# KiCad board issue1M_expansionboardA.kicad_pcb (continued)
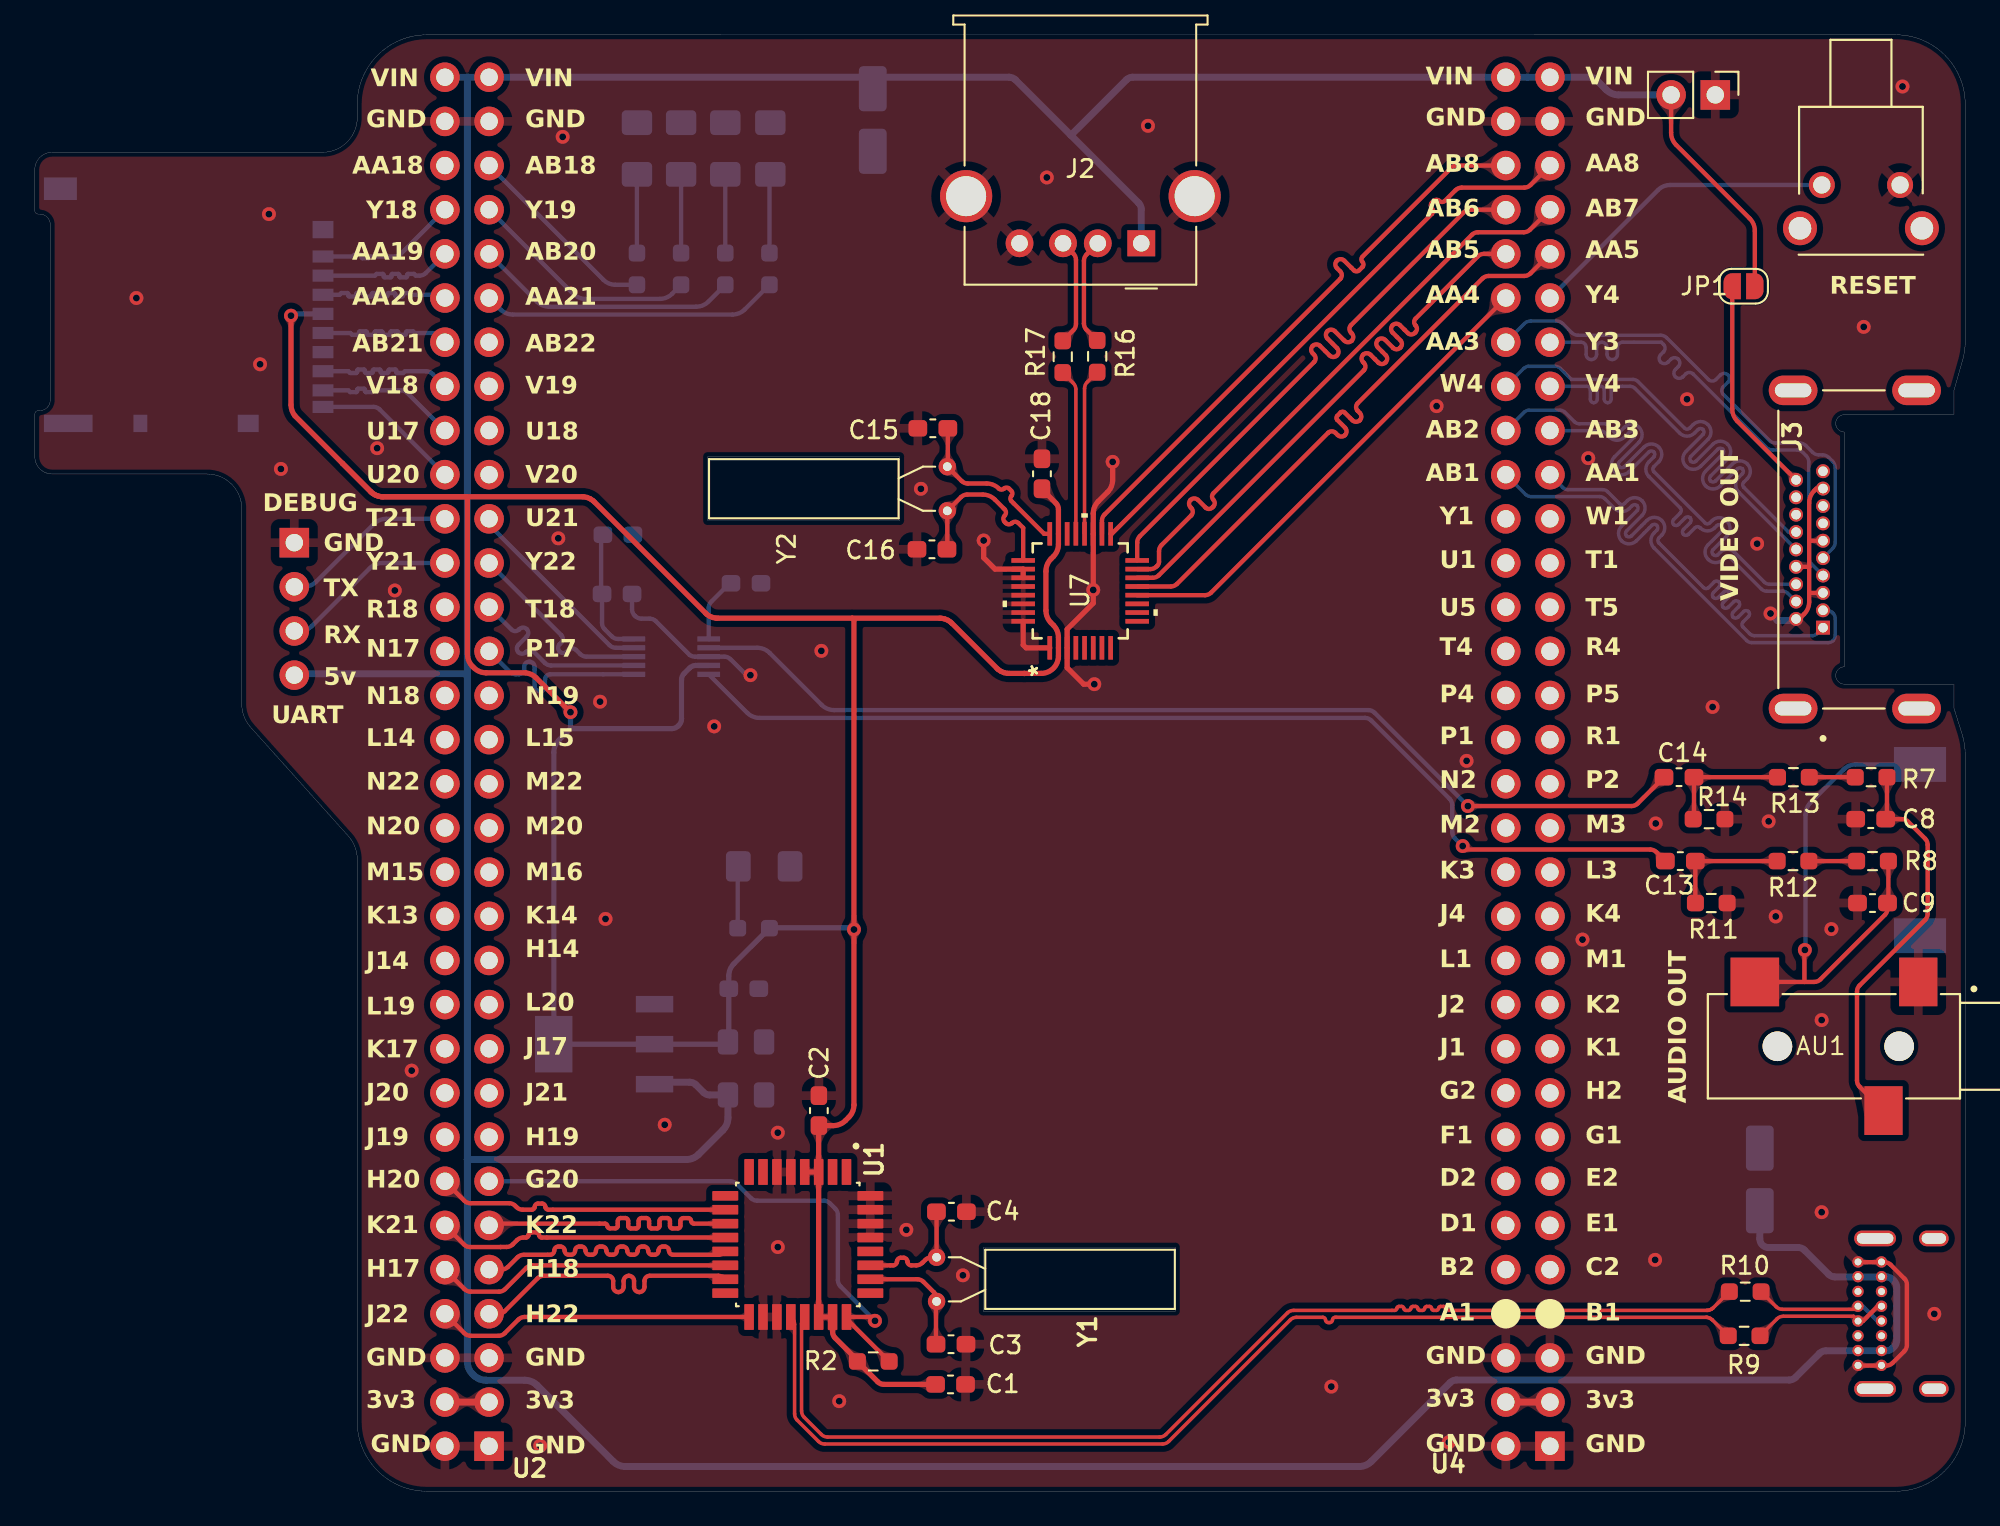
[diagram p0: board, top side]
## Routing (per net, layer and track width the routed paths; a pad name or vN(x,y) marks a point on that pad's centre or on a via; arc(x,y) is an arc through that point)
3V3: length 2.5
  Top w0.4: U2.3 U2.4
5V: length 302.3
  Top w0.25: JP1.2 98.9,72.49 arc(98.83,72.88) 98.61,73.2 94.38,77.43 arc(94.16,77.76) 94.09,78.14 J4.2
  Bottom w0.25: J5.4 14.99,47.01
  Bottom w0.4: 24.9,81.33 24.87,81.3 24.87,47.01 ; 24.9,81.33 U2.63 47.52,81.33 C20.1 48.84,81.33 56.03,81.33 arc(56.22,81.29) 56.38,81.18 59.58,77.99 ; 24.9,81.33 U2.64 ; 24.87,19.08 24.87,47.01 ; 24.87,19.08 24.87,7.45 arc(24.95,7.07) 25.16,6.75 25.23,6.68 arc(25.56,6.46) 25.94,6.38 28.18,6.38 arc(28.56,6.31) 28.88,6.09 33.26,1.71 arc(33.58,1.5) 33.97,1.42 76.14,1.42 arc(76.52,1.5) 76.85,1.71 81.39,6.25 arc(81.55,6.36) 81.74,6.4 100.88,6.4 arc(101.08,6.44) 101.24,6.54 102.62,7.93 arc(102.79,8.04) 102.98,8.08 106.46,8.08 arc(106.65,8.11) 106.82,8.22 106.91,8.32 arc(107.02,8.48) 107.06,8.67 107.06,11.73 arc(107.02,11.92) 106.91,12.08 106.82,12.18 arc(106.65,12.29) 106.46,12.33 103.5,12.33 arc(103.31,12.36) 103.15,12.47 101.75,13.87 arc(101.59,13.98) 101.4,14.02 99.69,14.02 arc(99.33,14.16) 99.19,14.52 C5.1 ; 24.87,19.08 37.46,19.08 arc(37.84,19.15) 38.17,19.37 39.56,20.77 arc(39.78,21.09) 39.86,21.48 C7.1 38.8,22.79 arc(38.61,22.83) 38.45,22.94 38.01,23.38 arc(37.85,23.49) 37.66,23.53 35.75,23.53 VR1.3 ; 24.87,47.01 24.86,47.02 15,47.02 14.99,47.01 ; J2.1 63.62,73.73 arc(63.58,73.93) 63.48,74.09 59.58,77.99 ; 59.58,77.99 62.77,81.18 arc(62.93,81.29) 63.12,81.33 U4.64 U4.63 89.43,81.33 arc(89.62,81.29) 89.78,81.18 90.36,80.61 arc(90.68,80.39) 91.07,80.31 J4.2
GND: length 53.7
  Top w0.25: 102.03,51.69 102.03,51.15 arc(101.95,50.77) 101.73,50.45 101.45,50.17 J3.2 ; 102.03,51.69 102.03,53.16 ; 102.03,51.69 102.05,51.67 J3.5 ; J3.17 102.44,57.67 102.32,57.55 arc(102.1,57.23) 102.03,56.84 102.03,53.16 ; 102.03,53.16 102.02,53.17 J3.8 ; 104.86,13.18 106.35,13.18 arc(106.54,13.14) 106.7,13.03 107.5,12.23 arc(107.61,12.07) 107.65,11.88 107.65,8.41 arc(107.61,8.22) 107.5,8.06 106.82,7.37 arc(106.65,7.26) 106.46,7.23 104.86,7.23 ; 102.03,54.67 J3.11
  Top w0.3: U7.1 57,48.51 56.83,48.68 U7.32 ; v1(54.56,54.68) 54.56,53.69 55.22,53.04 U7.26 U7.27 ; v1(60.92,46.42) 60.31,46.42 59.36,47.37 U7.3 59.36,49.58 60.86,51.08 v1(60.86,51.84) U7.19 60.86,56.23 arc(60.94,56.61) 61.15,56.93 61.68,57.46 arc(61.9,57.79) 61.98,58.17 v1(61.98,59.2)
  Bottom w0.25: v1(41.15,46.94) 40.92,46.94 40,47.86 arc(39.84,47.97) 39.65,48 U6.8 37.95,48 arc(37.79,48.03) 37.65,48.1 35.71,50.04 arc(35.55,50.15) 35.36,50.19 34.88,50.19 arc(34.69,50.23) 34.53,50.33 34.49,50.37 arc(34.38,50.53) 34.34,50.73 C10.2
  Bottom w0.4: J3.2 101.19,50.08 100.2,50.08 v1(99.8,50.48)
  vias: v1(5.84,68.63) v1(12.95,64.82) v1(13.46,73.45) v1(14.15,58.8) v1(19.69,59.99) v1(20.7,51.81) v1(21.67,24.19) v1(29.06,2.61) v1(30.1,54.81) v1(30.35,77.9) v1(32.5,45.41) v1(32.82,32.92) v1(36.22,21.08) v1(39.07,43.99) v1(42.72,20.62) v1(42.72,14.04) v1(45.23,48.33) v1(46.25,5.18) v1(50.11,15.03) v1(50.95,57.66) v1(53.37,12.42) v1(58.19,75.56) v1(64.01,78.53) v1(74.55,6.02) v1(80.6,62.41) v1(81.31,2.82) v1(82.33,42.01) v1(88.99,31.73) v1(89.32,59.42) v1(93.2,38.41) v1(93.17,13.31) v1(95,62.81) v1(96.47,45.11) v1(99.03,54.5) v1(99.7,38.53) v1(100.1,33.06) v1(102.74,27.1) v1(102.74,16.05) v1(103.3,32.33) v1(105.16,66.97) v1(107.39,80.79) v1(109.22,10.2)
VCC: length 2.5
  Top w0.4: U4.3 U4.4
/AL: length 59.3
  Top w0.25: C14.1 92.16,39.55 arc(92,39.45) 91.81,39.41 v1(82.4,39.41)
  Bottom w0.25: v1(82.4,39.41) 77.03,44.78 arc(76.87,44.89) 76.67,44.93 45.96,44.93 arc(45.57,45) 45.25,45.22 42.25,48.22 arc(41.93,48.44) 41.54,48.51 U6.7
/AR: length 60.5
  Top w0.25: v1(82.1,37.11) 82.3,36.91 92.88,36.91 arc(93.07,36.87) 93.24,36.76 C13.1
  Bottom w0.25: U6.10 40.97,44.77 arc(41.29,44.55) 41.67,44.48 76.49,44.48 arc(76.68,44.44) 76.84,44.33 81.36,39.82 arc(81.46,39.66) 81.5,39.46 81.5,37.92 arc(81.54,37.72) 81.65,37.56 v1(82.1,37.11)
/speakerout: length 29.8
  Top w0.25: 101.75,29.29 101.75,31.11 v1(101.78,31.13) ; 101.75,29.29 102.32,29.29 arc(102.51,29.33) 102.67,29.44 106.38,33.15 arc(106.49,33.31) 106.53,33.51 C9.1 106.58,33.88 R8.2 ; 101.75,29.29 AU1.2
  Bottom w0.25: LSRIGHT1.P 104.71,41.8 arc(104.33,41.73) 104,41.51 102.11,39.62 arc(101.89,39.29) 101.82,38.91 101.82,31.17 v1(101.78,31.13)
AU_LRCLK: length 11.5
  Bottom w0.25: U6.3 31.71,48 arc(31.52,48.04) 31.36,48.15 31.12,48.39 arc(30.91,48.48) 30.7,48.39 30.6,48.3 arc(30.39,48.21) 30.18,48.3 arc(30.09,48.51) 30.18,48.72 30.27,48.81 arc(30.36,49.03) 30.27,49.24 U2.41
AU_MCLK: length 11.6
  Bottom w0.25: U6.4 33.4,48.51 arc(33.21,48.55) 33.05,48.66 26.27,55.44 arc(26.16,55.6) 26.12,55.79 U2.43
AU_SCLK: length 11.5
  Bottom w0.25: U2.39 27.41,49.56 arc(27.62,49.47) 27.84,49.56 27.86,49.59 arc(28.08,49.67) 28.29,49.59 arc(28.38,49.37) 28.29,49.16 27.81,48.68 arc(27.72,48.47) 27.81,48.26 arc(28.02,48.17) 28.23,48.26 28.26,48.29 arc(28.47,48.37) 28.68,48.29 29.33,47.64 arc(29.49,47.53) 29.68,47.5 U6.2
AU_SDIN: length 11.5
  Bottom w0.25: U6.1 29.64,46.99 arc(29.43,46.9) 29.34,46.69 29.34,46.31 arc(29.25,46.1) 29.04,46.01 arc(28.83,46.1) 28.74,46.31 28.74,47.41 arc(28.65,47.63) 28.44,47.71 arc(28.23,47.63) 28.14,47.41 28.14,47.29 arc(28.05,47.08) 27.84,46.99 27.65,46.99 arc(27.46,47.03) 27.3,47.13 U2.37
CK_N: length 29.9
  Bottom w0.2: J3.12 100.84,55.17 98.26,57.75 arc(98.2,57.89) 98.26,58.03 98.47,58.24 arc(98.64,58.66) 98.47,59.09 arc(98.04,59.26) 97.62,59.09 96.64,58.1 arc(96.49,58.05) 96.35,58.1 arc(96.29,58.25) 96.35,58.39 97.34,59.37 arc(97.51,59.79) 97.34,60.22 arc(96.91,60.39) 96.49,60.22 95.51,59.24 arc(95.36,59.18) 95.22,59.24 arc(95.16,59.38) 95.22,59.52 96.2,60.5 arc(96.38,60.93) 96.2,61.35 arc(95.78,61.53) 95.36,61.35 95.15,61.14 arc(95.01,61.08) 94.86,61.14 92.17,63.83 arc(92.05,63.92) 91.89,63.95 88.35,63.95 87.72,64.58 arc(87.59,64.67) 87.43,64.7 85.9,64.7 arc(85.74,64.67) 85.61,64.58 U4.50
CK_P: length 30
  Bottom w0.2: J3.10 97.98,57.46 arc(97.8,57.89) 97.98,58.31 98.18,58.52 arc(98.24,58.66) 98.18,58.8 arc(98.04,58.86) 97.9,58.8 96.92,57.82 arc(96.49,57.65) 96.07,57.82 arc(95.89,58.25) 96.07,58.67 97.05,59.65 arc(97.11,59.79) 97.05,59.94 arc(96.91,59.99) 96.77,59.94 95.79,58.95 arc(95.36,58.78) 94.94,58.95 arc(94.76,59.38) 94.94,59.8 95.92,60.78 arc(95.98,60.93) 95.92,61.07 arc(95.78,61.13) 95.64,61.07 95.43,60.86 arc(95.01,60.68) 94.58,60.86 92.01,63.43 arc(91.88,63.52) 91.73,63.55 90.84,63.55 arc(90.7,63.49) 90.64,63.35 90.64,62.81 arc(90.58,62.67) 90.44,62.61 arc(90.3,62.67) 90.24,62.81 90.24,63.35 arc(90.18,63.49) 90.04,63.55 arc(89.9,63.49) 89.84,63.35 89.84,62.81 arc(89.78,62.67) 89.64,62.61 arc(89.5,62.67) 89.44,62.81 89.44,63.35 arc(89.38,63.49) 89.24,63.55 U4.49
D0_N: length 29.8
  Bottom w0.2: J3.9 103.38,54.22 arc(103.48,54.38) 103.52,54.58 103.52,58.88 arc(103.48,59.07) 103.38,59.23 103.15,59.46 arc(102.99,59.57) 102.79,59.61 102.57,59.61 arc(102.38,59.65) 102.22,59.75 101.83,60.14 arc(101.67,60.25) 101.48,60.29 100.09,60.29 arc(99.9,60.33) 99.74,60.43 97.08,63.09 arc(97,63.3) 97.08,63.52 97.35,63.78 arc(97.44,63.99) 97.35,64.21 arc(97.14,64.29) 96.93,64.21 96.66,63.94 arc(96.45,63.85) 96.24,63.94 93.83,66.34 arc(93.67,66.45) 93.48,66.49 88.73,66.49 arc(88.54,66.53) 88.38,66.63 87.85,67.16 arc(87.69,67.27) 87.49,67.31 86.01,67.31 arc(85.82,67.27) 85.66,67.16 U4.52
D0_P: length 29.9
  Bottom w0.2: J3.7 102.15,53.34 arc(102.04,53.5) 102,53.7 102,59.2 arc(101.96,59.39) 101.86,59.55 101.67,59.74 arc(101.51,59.85) 101.31,59.89 99.93,59.89 arc(99.74,59.93) 99.58,60.03 95.35,64.26 arc(95.14,64.35) 94.92,64.26 94.76,64.1 arc(94.55,64.01) 94.34,64.1 arc(94.25,64.31) 94.34,64.52 94.5,64.69 arc(94.59,64.9) 94.5,65.11 arc(94.29,65.2) 94.08,65.11 93.91,64.94 arc(93.7,64.86) 93.49,64.94 arc(93.4,65.16) 93.49,65.37 93.65,65.53 arc(93.74,65.75) 93.65,65.96 93.52,66.09 91.3,66.09 arc(91.09,66) 91,65.79 91,65.39 arc(90.91,65.18) 90.7,65.09 arc(90.49,65.18) 90.4,65.39 90.4,65.79 arc(90.31,66) 90.1,66.09 arc(89.89,66) 89.8,65.79 89.8,65.39 arc(89.71,65.18) 89.5,65.09 arc(89.29,65.18) 89.2,65.39 89.2,65.79 arc(89.11,66) 88.9,66.09 U4.51
D1_N: length 29.9
  Bottom w0.2: U4.48 85.63,62.06 arc(85.76,62.15) 85.92,62.18 87.7,62.18 arc(87.85,62.15) 87.98,62.06 88.52,61.52 arc(88.65,61.43) 88.81,61.4 90.34,61.4 90.83,60.91 arc(90.97,60.85) 91.11,60.91 91.4,61.19 arc(91.82,61.36) 92.24,61.19 arc(92.42,60.76) 92.24,60.34 91.11,59.21 arc(91.05,59.07) 91.11,58.93 arc(91.25,58.87) 91.4,58.93 92.53,60.06 arc(92.95,60.23) 93.38,60.06 arc(93.55,59.63) 93.38,59.21 93.09,58.93 arc(93.03,58.78) 93.09,58.64 96.05,55.69 arc(96.18,55.63) 96.3,55.69 96.44,55.83 arc(96.85,56) 97.26,55.83 97.31,55.78 arc(97.48,55.37) 97.31,54.96 96.49,54.15 arc(96.44,54.02) 96.49,53.89 96.52,53.86 arc(96.65,53.81) 96.77,53.86 96.91,54 arc(97.32,54.17) 97.73,54 99.45,52.29 arc(99.58,52.2) 99.73,52.17 J3.6
D1_P: length 30
  Bottom w0.2: J3.4 100.79,51.65 arc(100.66,51.74) 100.51,51.77 99.57,51.77 arc(99.41,51.8) 99.28,51.89 97.45,53.72 arc(97.32,53.77) 97.2,53.72 97.06,53.58 arc(96.65,53.41) 96.24,53.58 96.21,53.61 arc(96.04,54.02) 96.21,54.43 97.02,55.25 arc(97.08,55.37) 97.02,55.5 96.98,55.54 arc(96.85,55.6) 96.73,55.54 96.58,55.4 arc(96.18,55.23) 95.77,55.4 95.75,55.42 arc(95.61,55.48) 95.47,55.42 95.08,55.04 arc(94.94,54.98) 94.8,55.04 arc(94.74,55.18) 94.8,55.32 95.18,55.7 arc(95.24,55.85) 95.18,55.99 arc(95.04,56.05) 94.9,55.99 94.51,55.6 arc(94.37,55.54) 94.23,55.6 arc(94.17,55.74) 94.23,55.88 94.62,56.27 94.62,56.27 arc(94.68,56.41) 94.62,56.55 92.81,58.36 arc(92.63,58.78) 92.81,59.21 93.09,59.49 arc(93.15,59.63) 93.09,59.77 arc(92.95,59.83) 92.81,59.77 91.68,58.64 arc(91.25,58.47) 90.83,58.64 arc(90.65,59.07) 90.83,59.49 91.96,60.62 91.96,60.62 arc(92.02,60.76) 91.96,60.91 arc(91.82,60.96) 91.68,60.91 91.4,60.62 arc(90.97,60.45) 90.55,60.62 90.29,60.88 arc(90.16,60.97) 90.01,61 87.13,61 U4.47
D2_N: length 29.9
  Bottom w0.2: J3.3 103.06,50.67 arc(103.21,50.64) 103.34,50.55 103.4,50.49 arc(103.49,50.36) 103.52,50.2 103.52,49.21 arc(103.49,49.06) 103.4,48.93 103.4,48.93 arc(103.27,48.84) 103.12,48.81 98.72,48.81 arc(98.56,48.84) 98.43,48.93 93.1,54.26 arc(92.92,54.68) 93.1,55.11 93.26,55.27 arc(93.32,55.41) 93.26,55.56 arc(93.12,55.61) 92.98,55.56 92.09,54.66 arc(91.66,54.49) 91.24,54.66 arc(91.06,55.09) 91.24,55.51 92.13,56.4 arc(92.19,56.55) 92.13,56.69 arc(91.99,56.75) 91.85,56.69 91.69,56.52 arc(91.26,56.35) 90.84,56.52 90.27,57.09 arc(90.14,57.18) 89.99,57.21 86.01,57.21 arc(85.85,57.24) 85.72,57.33 U4.46
D2_P: length 29.9
  Bottom w0.2: U4.45 87.86,57.73 arc(87.99,57.64) 88.15,57.61 90.15,57.61 arc(90.31,57.58) 90.43,57.49 91.12,56.81 arc(91.26,56.75) 91.4,56.81 91.57,56.97 arc(91.99,57.15) 92.41,56.97 arc(92.59,56.55) 92.41,56.12 91.52,55.23 arc(91.46,55.09) 91.52,54.95 arc(91.66,54.89) 91.8,54.95 92.7,55.84 arc(93.12,56.01) 93.55,55.84 arc(93.72,55.41) 93.55,54.99 93.38,54.83 arc(93.32,54.68) 93.38,54.54 95.95,51.97 arc(96.1,51.91) 96.24,51.97 96.56,52.29 arc(96.7,52.35) 96.84,52.29 arc(96.9,52.15) 96.84,52.01 96.52,51.69 arc(96.46,51.55) 96.52,51.41 arc(96.66,51.35) 96.8,51.41 97.12,51.73 arc(97.27,51.79) 97.41,51.73 arc(97.47,51.59) 97.41,51.44 97.09,51.12 arc(97.03,50.98) 97.09,50.84 arc(97.23,50.78) 97.37,50.84 97.69,51.16 arc(97.83,51.22) 97.97,51.16 arc(98.03,51.02) 97.97,50.88 97.65,50.56 arc(97.59,50.42) 97.65,50.27 arc(97.79,50.22) 97.93,50.27 98.26,50.6 arc(98.4,50.65) 98.54,50.6 arc(98.6,50.45) 98.54,50.31 98.22,49.99 arc(98.16,49.85) 98.22,49.71 98.6,49.33 arc(98.73,49.24) 98.88,49.21 102.2,49.21 arc(102.35,49.24) 102.48,49.33 J3.1
GPI: length 33.5
  Top w0.25: U1.24 48.09,10.02 v1(48.31,9.8) ; U1.24 46.69,10.01 ; U1.24 46.67,9.92 R2.2
  Bottom w0.25: v1(48.31,9.8) 46.32,11.79 arc(46.22,11.95) 46.18,12.14 46.18,15.89 arc(46.14,16.09) 46.03,16.25 45.71,16.56 arc(45.55,16.67) 45.36,16.71 41.53,16.71 arc(41.34,16.75) 41.18,16.86 40.35,17.68 arc(40.19,17.79) 40,17.83 U2.13 26.38,18.08
INT: length 18.4
  Top w0.25: U1.17 28.16,10.02 arc(27.97,9.98) 27.81,9.88 27.02,9.08 arc(26.86,8.98) 26.67,8.94 25.06,8.94 arc(24.87,8.98) 24.71,9.08 U2.8
LED0: length 11.3
  Bottom w0.25: U2.59 32.69,69.68 arc(33.01,69.47) 33.39,69.39 R3.1
LED1: length 13.4
  Bottom w0.25: U2.57 30.96,68.87 arc(31.28,68.65) 31.67,68.58 35.94,68.58 arc(36.32,68.65) 36.64,68.87 R4.1
LED2: length 15.3
  Bottom w0.25: U2.55 28.87,68.42 arc(29.19,68.2) 29.58,68.13 38.03,68.13 arc(38.41,68.2) 38.73,68.42 R5.1
LED3: length 17.1
  Bottom w0.25: R6.1 40.82,67.97 arc(40.5,67.75) 40.12,67.68 27.49,67.68 arc(27.1,67.75) 26.78,67.97 U2.53
LEFTOUT: length 2.6
  Top w0.25: R13.2 R7.1
REG3V3: length 197.5
  Top w0.3: 47,50.21 52.03,50.21 52.12,50.21 52.32,50.17 52.5,50.1 52.66,49.99 52.73,49.92 55.32,47.33 55.39,47.26 55.56,47.15 55.74,47.08 55.93,47.04 56.03,47.04 56.89,47.04 ; 47,50.21 47.1,50.11 v1(47.1,32.31) 47.1,22.22 arc(47.03,21.84) 46.81,21.52 46.62,21.32 arc(46.29,21.1) 45.91,21.03 C2.2 45.07,21.02 U1.3 ; 47,50.21 39.28,50.21 39.18,50.22 38.99,50.25 38.8,50.33 38.64,50.44 38.57,50.51 32.17,56.91 32.1,56.97 31.94,57.08 31.75,57.16 31.56,57.2 31.46,57.2 20.02,57.2 ; v1(30.8,44.81) 28.83,46.78 arc(28.55,46.98) 28.22,47.07 25.95,47.07 arc(25.57,47.15) 25.25,47.36 25.17,47.44 arc(24.95,47.76) 24.88,48.15 24.88,57.12 24.8,57.2 20.02,57.2 ; 47.51,7.68 R2.1 ; R2.1 48.47,6.29 arc(48.64,6.18) 48.83,6.14 C1.2 ; R2.1 47.3,7.54 46.02,8.82 arc(45.91,8.98) 45.87,9.17 U1.23 U1.22 U1.3 ; 20.02,57.2 19.92,57.2 19.73,57.24 19.55,57.31 19.39,57.42 19.32,57.49 ; 20.02,57.2 arc(19.64,57.27) 19.32,57.49 ; 56.89,47.04 56.9,47.03 ; 56.89,47.04 57.86,47.04 arc(58.57,47.33) 58.86,48.04 U7.2 58.86,49.11 arc(58.78,49.49) 58.57,49.81 58.43,49.95 arc(58.22,50.27) 58.14,50.66 58.14,52.92 arc(58.22,53.3) 58.43,53.63 58.57,53.76 arc(58.78,54.08) 58.86,54.47 U7.23 58.86,56.48 arc(58.82,56.67) 58.71,56.83 57.91,57.63 C18.2 ; 17.69,59.12 17.69,59.12 14.96,61.85 arc(14.79,62.15) 14.73,62.49 v1(14.73,67.61) ; 17.69,59.12 19.32,57.49 ; 17.69,59.12 19.32,57.49 ; U1.3 U1.4
  Bottom w0.3: v1(14.73,67.61) 14.83,67.71 16.57,67.71 CRD1.4 ; 30.8,43.86 30.14,43.2 arc(29.92,42.87) 29.84,42.49 29.84,25.72 VR1.4 VR1.2 39.73,25.71 C6.1 39.9,25.89 C17.2 39.9,29.63 arc(39.98,30.01) 40.2,30.34 R1.1 42.47,32.38 42.49,32.41 47,32.41 v1(47.1,32.31) ; 30.8,43.86 v1(30.8,44.81) ; 30.8,43.86 36.63,43.86 arc(36.82,43.9) 36.99,44.01 37.04,44.06 arc(37.15,44.23) 37.19,44.42 37.19,46.67 arc(37.22,46.87) 37.33,47.03 37.65,47.35 arc(37.82,47.46) 38.01,47.5 U6.9
RIGHTOUT: length 2.7
  Top w0.25: R12.2 R8.1
RSTN: length 18.3
  Bottom w0.25: RESETN1.2 94.04,75.13 arc(93.66,75.05) 93.33,74.84 U4.53
SDCLK: length 8.3
  Bottom w0.25: CRD1.5 18.14,66.62 18.24,66.52 18.59,66.52 18.64,66.57 18.64,66.67 18.69,66.72 19.04,66.72 19.09,66.67 19.09,66.57 19.14,66.52 19.49,66.52 19.54,66.57 19.54,66.67 19.59,66.72 19.94,66.72 19.99,66.67 19.99,66.57 20.04,66.52 20.39,66.52 20.44,66.57 20.44,66.67 20.49,66.72 20.84,66.72 20.89,66.67 20.89,66.57 20.94,66.52 21.29,66.52 21.34,66.57 21.34,66.67 21.39,66.72 21.74,66.72 21.84,66.62 22.85,66.62 arc(23.04,66.58) 23.2,66.47 U2.52
SDCMD: length 8.3
  Bottom w0.25: CRD1.3 17.53,68.82 17.63,68.92 17.98,68.92 18.03,68.87 18.03,68.77 18.08,68.72 18.43,68.72 18.48,68.77 18.48,68.87 18.53,68.92 18.88,68.92 18.93,68.87 18.93,68.77 18.98,68.72 19.33,68.72 19.38,68.77 19.38,68.87 19.43,68.92 19.78,68.92 19.83,68.87 19.83,68.77 19.88,68.72 20.23,68.72 20.28,68.77 20.28,68.87 20.33,68.92 20.68,68.92 20.73,68.87 20.73,68.77 20.78,68.72 21.13,68.72 21.18,68.77 21.18,68.87 21.23,68.92 21.58,68.92 21.68,68.82 23.19,68.82 arc(23.38,68.78) 23.54,68.67 U2.54
SDDAT0: length 8.3
  Bottom w0.25: CRD1.7 18.03,64.42 18.13,64.32 18.48,64.32 18.53,64.37 18.53,64.47 18.58,64.52 18.93,64.52 18.98,64.47 18.98,64.37 19.03,64.32 19.38,64.32 19.43,64.37 19.43,64.47 19.48,64.52 19.83,64.52 19.88,64.47 19.88,64.37 19.93,64.32 20.28,64.32 20.33,64.37 20.33,64.47 20.38,64.52 20.73,64.52 20.78,64.47 20.78,64.37 20.83,64.32 21.18,64.32 21.28,64.42 22.51,64.42 arc(22.7,64.38) 22.86,64.27 U2.50
SDDAT1: length 8.3
  Bottom w0.25: U2.48 21.42,63.17 arc(21.26,63.28) 21.07,63.32 19.48,63.32 19.38,63.22 19.03,63.22 18.98,63.27 18.98,63.37 18.93,63.42 18.58,63.42 18.53,63.37 18.53,63.27 18.48,63.22 18.13,63.22 18.03,63.32 CRD1.8
SDDAT2: length 8.3
  Bottom w0.25: CRD1.1 18.29,71.02 18.39,71.12 18.74,71.12 18.79,71.07 18.79,70.97 18.84,70.92 19.19,70.92 19.29,71.02 20.68,71.02 arc(20.87,71.05) 21.04,71.16 U2.58
SDDAT3: length 8.2
  Bottom w0.25: CRD1.2 19.56,69.92 19.66,70.02 20.01,70.02 20.06,69.97 20.06,69.87 20.11,69.82 20.46,69.82 20.51,69.87 20.51,69.97 20.56,70.02 20.91,70.02 20.96,69.97 20.96,69.87 21.01,69.82 21.36,69.82 21.41,69.87 21.41,69.97 21.46,70.02 21.81,70.02 21.91,69.92 22.12,69.92 arc(22.31,69.95) 22.48,70.06 U2.56
SDSWTCH: length 8.6
  Bottom w0.25: CRD1.SWB 19.48,62.37 arc(19.67,62.33) 19.83,62.22 U2.46
UARTRX: length 10.2
  Bottom w0.25: U2.44 20.21,55.93 arc(19.82,55.85) 19.5,55.64 16.17,52.31 arc(15.85,52.09) 15.47,52.02 J5.2
UARTTX: length 10.2
  Bottom w0.25: U2.42 19.98,53.39 arc(19.59,53.31) 19.27,53.1 15.94,49.77 arc(15.62,49.55) 15.24,49.48 J5.3
USBD1_N: length 9.6
  Top w0.2: U7.20 60.36,63.43 arc(60.4,63.62) 60.51,63.78 R17.2
USBD1_P: length 9.6
  Top w0.2: R16.2 59.71,63.73 arc(59.82,63.57) 59.86,63.38 U7.21
USBD_N: length 63.9
  Top w0.2: R9.2 96.46,9.86 96.45,9.86 arc(96.41,9.9) 96.36,9.93 96.35,9.93 arc(96.29,9.96) 96.23,9.98 96.17,10 96.11,10 arc(96.1,10) 96.1,10 74.77,10 arc(74.66,9.96) 74.62,9.85 arc(74.57,9.75) 74.47,9.7 74.37,9.7 arc(74.26,9.75) 74.22,9.85 arc(74.17,9.96) 74.07,10 72.54,10 arc(72.35,9.96) 72.19,9.86 65.2,2.86 arc(65.03,2.75) 64.84,2.72 45.42,2.72 arc(45.23,2.75) 45.07,2.86 43.83,4.09 arc(43.73,4.26) 43.69,4.45 43.69,9.6 arc(43.65,9.79) 43.54,9.95 U1.20
USBD_P: length 63.9
  Top w0.2: R10.2 96.51,10.55 96.5,10.54 arc(96.46,10.51) 96.41,10.47 96.4,10.47 arc(96.34,10.44) 96.28,10.42 96.22,10.4 96.16,10.4 arc(96.15,10.4) 96.15,10.4 81.23,10.4 arc(81.15,10.43) 81.12,10.52 arc(81.08,10.6) 81,10.63 80.83,10.63 arc(80.75,10.6) 80.72,10.52 arc(80.68,10.43) 80.6,10.4 80.43,10.4 arc(80.35,10.43) 80.32,10.52 arc(80.28,10.6) 80.2,10.63 80.03,10.63 arc(79.95,10.6) 79.92,10.52 arc(79.88,10.43) 79.8,10.4 79.63,10.4 arc(79.55,10.43) 79.52,10.52 arc(79.48,10.6) 79.4,10.63 79.23,10.63 arc(79.15,10.6) 79.12,10.52 arc(79.08,10.43) 79,10.4 78.83,10.4 arc(78.75,10.43) 78.72,10.52 arc(78.68,10.6) 78.6,10.63 78.43,10.63 arc(78.35,10.6) 78.32,10.52 arc(78.28,10.43) 78.2,10.4 72.38,10.4 arc(72.19,10.36) 72.02,10.26 65.03,3.26 arc(64.87,3.15) 64.68,3.12 45.58,3.12 arc(45.39,3.15) 45.23,3.26 44.23,4.26 arc(44.13,4.42) 44.09,4.61 44.09,9.63 arc(44.13,9.82) 44.23,9.98 U1.21
USBGPX: length 17.2
  Top w0.25: U1.15 39.65,12.25 arc(39.49,12.35) 39.3,12.39 35.36,12.39 arc(35.14,12.3) 35.06,12.09 35.06,11.75 arc(34.97,11.54) 34.76,11.45 arc(34.54,11.54) 34.46,11.75 34.46,12.09 arc(34.37,12.3) 34.16,12.39 arc(33.94,12.3) 33.86,12.09 33.86,11.75 arc(33.77,11.54) 33.56,11.45 arc(33.34,11.54) 33.26,11.75 33.26,12.09 arc(33.17,12.3) 32.96,12.39 29.26,12.39 arc(29.07,12.35) 28.91,12.25 27.02,10.35 arc(26.86,10.25) 26.67,10.21 U2.7
USBHCSN: length 34.5
  Top w0.25: U7.14 64.28,52.54 arc(64.47,52.57) 64.63,52.68 76.42,64.47 arc(76.51,64.68) 76.42,64.9 76.38,64.94 arc(76.29,65.16) 76.38,65.37 arc(76.59,65.46) 76.8,65.37 77.26,64.91 arc(77.45,64.83) 77.65,64.91 77.68,64.94 arc(77.76,65.14) 77.68,65.34 77.22,65.79 arc(77.14,66) 77.22,66.22 arc(77.44,66.3) 77.65,66.22 78.1,65.76 arc(78.3,65.68) 78.5,65.76 78.53,65.79 arc(78.61,65.99) 78.53,66.19 78.07,66.64 arc(77.99,66.85) 78.07,67.06 arc(78.29,67.15) 78.5,67.06 78.95,66.61 arc(79.14,66.53) 79.34,66.61 79.39,66.67 arc(79.47,66.86) 79.39,67.05 arc(79.31,67.25) 79.39,67.44 82.97,71.02 arc(83.13,71.13) 83.33,71.17 U4.56
USBHGPX: length 34.5
  Top w0.25: U7.17 61.93,55.06 80.33,73.47 arc(80.4,73.63) 80.33,73.79 arc(80.27,73.95) 80.33,74.11 80.43,74.22 arc(80.6,74.28) 80.76,74.22 arc(80.92,74.15) 81.08,74.22 81.69,74.83 arc(81.85,74.94) 82.05,74.98 85.64,74.98 arc(85.84,75.02) 86,75.12 U4.59
USBHINT: length 34.5
  Top w0.25: U7.18 61.36,55.82 arc(61.4,56.01) 61.51,56.17 75.06,69.73 arc(75.15,69.94) 75.06,70.16 74.87,70.35 arc(74.78,70.57) 74.87,70.78 arc(75.08,70.87) 75.29,70.78 75.85,70.22 arc(76,70.16) 76.15,70.22 76.34,70.41 arc(76.4,70.56) 76.34,70.71 arc(76.28,70.86) 76.34,71.01 81.43,76.1 arc(81.6,76.21) 81.79,76.25 U4.60
USBHMISO: length 34.4
  Top w0.25: U7.15 64.14,53.04 arc(64.33,53.07) 64.5,53.18 64.56,53.24 arc(64.62,53.34) 64.64,53.45 64.64,54.07 arc(64.68,54.26) 64.79,54.42 66.5,56.13 arc(66.58,56.34) 66.5,56.55 66.46,56.59 arc(66.37,56.8) 66.46,57.02 arc(66.67,57.1) 66.88,57.02 67.32,56.57 arc(67.51,56.5) 67.7,56.57 67.77,56.64 arc(67.85,56.83) 67.77,57.02 arc(67.69,57.21) 67.77,57.4 82.63,72.27 arc(82.8,72.37) 82.99,72.41 85.62,72.41 arc(85.81,72.45) 85.97,72.56 U4.57
USBHMOSI: length 34.5
  Top w0.25: U7.16 63.39,54.57 arc(63.43,54.76) 63.53,54.92 73.56,64.94 arc(73.65,65.16) 73.56,65.37 73.48,65.45 arc(73.39,65.66) 73.48,65.87 arc(73.69,65.96) 73.9,65.87 74.45,65.32 arc(74.66,65.24) 74.88,65.32 arc(74.96,65.54) 74.88,65.75 74.33,66.3 arc(74.24,66.51) 74.33,66.72 arc(74.54,66.81) 74.75,66.72 75.3,66.17 arc(75.51,66.08) 75.72,66.17 arc(75.81,66.38) 75.72,66.6 75.68,66.64 arc(75.59,66.85) 75.68,67.07 82.17,73.56 arc(82.34,73.67) 82.53,73.71 U4.58
USBHRES: length 28.3
  Top w0.25: U7.12 67.28,51.54 arc(67.47,51.57) 67.64,51.68 U4.54
USBHSCLK: length 34.4
  Top w0.25: U4.55 86,70.04 arc(85.84,69.94) 85.64,69.9 83.6,69.9 arc(83.4,69.86) 83.24,69.75 76.06,62.57 arc(75.97,62.36) 76.06,62.15 76.19,62.02 arc(76.27,61.81) 76.19,61.6 arc(75.97,61.51) 75.76,61.6 75.31,62.05 arc(75.2,62.09) 75.09,62.05 74.89,61.85 arc(74.84,61.73) 74.89,61.62 75.34,61.17 arc(75.43,60.96) 75.34,60.75 arc(75.13,60.66) 74.91,60.75 74.79,60.87 arc(74.58,60.96) 74.36,60.87 65.67,52.18 arc(65.51,52.07) 65.32,52.04 U7.13
USBMISO: length 17.2
  Top w0.25: U1.13 39.66,13.74 arc(39.49,13.64) 39.3,13.6 36.7,13.6 arc(36.54,13.67) 36.47,13.84 arc(36.4,14) 36.23,14.07 36.1,14.07 arc(35.94,14) 35.87,13.84 arc(35.8,13.67) 35.63,13.6 35.5,13.6 arc(35.34,13.67) 35.27,13.84 arc(35.2,14) 35.03,14.07 34.9,14.07 arc(34.74,14) 34.67,13.84 arc(34.6,13.67) 34.43,13.6 34.3,13.6 arc(34.14,13.67) 34.07,13.84 arc(34,14) 33.83,14.07 33.7,14.07 arc(33.54,14) 33.47,13.84 arc(33.4,13.67) 33.23,13.6 33.1,13.6 arc(32.94,13.67) 32.87,13.84 arc(32.8,14) 32.63,14.07 32.5,14.07 arc(32.34,14) 32.27,13.84 arc(32.2,13.67) 32.03,13.6 31.9,13.6 arc(31.74,13.67) 31.67,13.84 arc(31.6,14) 31.43,14.07 31.3,14.07 arc(31.14,14) 31.07,13.84 arc(31,13.67) 30.83,13.6 30.7,13.6 arc(30.54,13.67) 30.47,13.84 arc(30.4,14) 30.23,14.07 30.1,14.07 arc(29.94,14) 29.87,13.84 arc(29.8,13.67) 29.63,13.6 28.11,13.6 arc(27.92,13.56) 27.75,13.45 27.2,12.89 arc(27.04,12.79) 26.84,12.75 U2.9
USBMOSI: length 17.2
  Top w0.25: U2.10 24.71,11.62 arc(24.87,11.52) 25.06,11.48 26.69,11.48 arc(26.88,11.52) 27.05,11.62 28.27,12.85 arc(28.43,12.95) 28.62,12.99 U1.14
USBRES: length 17.1
  Top w0.25: U1.10 29.53,16.19 arc(29.4,16.24) 29.35,16.37 arc(29.3,16.49) 29.18,16.54 28.93,16.54 arc(28.8,16.49) 28.75,16.37 arc(28.7,16.24) 28.58,16.19 28.06,16.19 arc(27.87,16.23) 27.7,16.34 27.62,16.42 arc(27.46,16.53) 27.27,16.57 25.05,16.57 arc(24.86,16.6) 24.7,16.71 U2.14
USBSCLK: length 17.2
  Top w0.25: U1.11 39.7,15.39 37.9,15.39 arc(37.78,15.44) 37.74,15.55 arc(37.69,15.66) 37.58,15.71 37.28,15.71 arc(37.17,15.66) 37.12,15.55 37.12,15.25 arc(37.08,15.16) 36.98,15.12 36.66,15.12 arc(36.56,15.16) 36.52,15.25 36.52,15.55 arc(36.47,15.67) 36.36,15.71 36.08,15.71 arc(35.97,15.67) 35.92,15.55 35.92,15.25 arc(35.88,15.16) 35.78,15.12 35.46,15.12 arc(35.36,15.16) 35.32,15.25 35.32,15.55 arc(35.27,15.67) 35.16,15.71 34.88,15.71 arc(34.77,15.67) 34.72,15.55 34.72,15.25 arc(34.68,15.16) 34.58,15.12 34.26,15.12 arc(34.16,15.16) 34.12,15.25 34.12,15.55 arc(34.07,15.67) 33.96,15.71 33.68,15.71 arc(33.57,15.67) 33.52,15.55 33.52,15.26 arc(33.48,15.16) 33.39,15.12 33.06,15.12 arc(32.96,15.16) 32.92,15.26 arc(32.88,15.35) 32.79,15.39 26.22,15.39 U2.11
USBSS: length 17.1
  Top w0.25: U1.12 29.14,14.59 arc(29.04,14.63) 28.99,14.74 arc(28.95,14.84) 28.84,14.89 28.54,14.89 arc(28.44,14.84) 28.39,14.74 arc(28.35,14.63) 28.24,14.59 28.09,14.59 arc(27.89,14.55) 27.73,14.45 27.48,14.19 arc(27.32,14.09) 27.13,14.05 26.79,14.05 26.78,14.04 25.03,14.04 arc(24.84,14.08) 24.68,14.19 U2.12
Net-(AU1-Pad3): length 23.1
  Top w0.25: AU1.3 104.92,23.27 arc(104.81,23.43) 104.78,23.62 104.78,28.73 arc(104.81,28.93) 104.92,29.09 108.69,32.86 arc(108.8,33.02) 108.84,33.21 108.84,37.18 arc(108.8,37.37) 108.69,37.53 107.72,38.51 arc(107.55,38.62) 107.36,38.66 C8.2 106.5,38.73 R7.2
Net-(C13-Pad2): length 7.1
  Top w0.25: R11.1 95.48,33.83 C13.2 R12.1
Net-(C14-Pad2): length 7.2
  Top w0.25: R14.1 95.4,38.7 C14.2 R13.1
Net-(D1-A): length 3.6
  Bottom w0.25: R1.2 40.42,35.9 D1.2
Net-(D2-A): length 4.5
  Bottom w0.25: D2.2 R3.2
Net-(D3-A): length 4.5
  Bottom w0.25: R4.2 D3.2
Net-(D4-A): length 4.5
  Bottom w0.25: R5.2 D4.2
Net-(D5-A): length 4.5
  Bottom w0.25: R6.2 42.24,75.69 D5.2
Net-(J1-D+-PadA6): length 7.8
  Top w0.2: 104.86,10.63 104.7,10.46 100.48,10.46 arc(100.29,10.5) 100.13,10.61 R10.1
  Bottom w0.25: J1.B6 105.95,9.79 105.11,10.64 J1.A6
Net-(J1-D--PadA7): length 7.9
  Top w0.2: 104.86,9.78 104.57,10.06 100.53,10.06 arc(100.34,10.02) 100.18,9.92 R9.1
  Top w0.25: J1.A7 105.12,9.79 105.97,10.64 J1.B7
Net-(J2-D+): length 6.2
  Top w0.25: J2.3 59.72,71.18 arc(59.83,71.02) 59.87,70.82 59.87,67.14 arc(59.83,66.94) 59.72,66.78 R16.1
Net-(J2-D-): length 6.2
  Top w0.25: R17.1 60.47,66.8 arc(60.36,66.97) 60.33,67.16 60.33,70.77 arc(60.36,70.96) 60.47,71.13 J2.2
Net-(J3-+5V): length 12.6
  Top w0.25: JP1.1 97.6,62.25 arc(97.68,61.87) 97.89,61.55 J3.18
Net-(U1-XI): length 7
  Top w0.25: U1.26 50.74,12.19 arc(50.93,12.15) 51.1,12.05 51.71,11.44 arc(51.81,11.27) 51.85,11.08 Y1.1 ; C3.2 51.82,10.88 Y1.1 ; Y1.1 51.85,10.86
Net-(U1-XO): length 7.1
  Top w0.25: C4.2 51.85,16.07 Y1.2 51.56,13.46 arc(51.37,13.42) 51.21,13.31 51.04,13.14 arc(50.88,13.03) 50.68,12.99 50.39,12.99 arc(50.24,13.06) 50.18,13.21 arc(50.11,13.36) 49.96,13.43 49.79,13.43 arc(49.64,13.36) 49.58,13.21 arc(49.51,13.06) 49.36,12.99 U1.27
Net-(U6-FILT+): length 3.6
  Bottom w0.25: 39.93,52.19 38.9,51.16 arc(38.79,51) 38.75,50.81 U6.6
Net-(U6-VQ): length 7.4
  Bottom w0.25: U6.5 33.53,49.02 arc(33.34,49.06) 33.18,49.17 32.76,49.58 arc(32.65,49.75) 32.62,49.94 C10.1 32.56,51.66 32.56,54.91 C11.1
Net-(U7-XI): length 10.1
  Top w0.25: U7.24 58.04,55.06 56.15,56.95 arc(56.09,57.1) 56.15,57.24 arc(56.21,57.39) 56.15,57.54 56.02,57.67 arc(55.88,57.73) 55.73,57.67 arc(55.58,57.61) 55.44,57.67 arc(55.11,57.88) 54.73,57.96 53.65,57.96 arc(53.45,58) 53.29,58.11 Y2.1 52.5,58.96 C15.2
Net-(U7-XO): length 10.2
  Top w0.25: C16.2 52.47,54.2 Y2.2 53.26,57.18 arc(53.42,57.29) 53.61,57.33 54.5,57.33 arc(54.88,57.25) 55.21,57.03 55.77,56.47 arc(55.84,56.29) 55.77,56.11 arc(55.69,55.93) 55.77,55.75 55.83,55.69 arc(56.01,55.61) 56.19,55.69 arc(56.37,55.76) 56.55,55.69 56.83,55.41 U7.25
unconnected-(U2-Pin_45-Pad45): length 0.5
  Top w0.25: U2.45 26.12,58.99

## Copper pours and planes (outline as drawn; the poured copper is in the pictures)
GND on Top, Bottom: -7.57,88.59 117.17,88.36 117.35,-3 -7.62,-3.25

Small or netless copper shapes (teardrops, artwork), in the pictures only: 114 on Top, 110 on Bottom

## Text on the board
B.Silkscreen: Copyright 2023 / Engin Cilasun / issue 1M | SPEAKER | USB | L0 | L1 | L2 | L3 | POWER | 5v0
F.Silkscreen: DEBUG | UART | GND | TX | RX | 5v | AA18 | AA19 | AA20 | AB21 | Y18 | V18 | U17 | U20 | T21 | Y21 | R18 | N17 | N18 | L14 | N22 | N20 | M15 | K13 | J14 | L19 | K17 | J20 | J19 | H20 | K21 | H17 | J22 | 3v3 | VIN | AB18 | Y19 | AB20 | AA21 | AB22 | V19 | U18 | V20 | U21 | Y22 | T18 | P17 | N19 | L15 | M22 | M20 | M16 | K14 | H14 | L20 | J17 | J21 | H19 | G20 | K22 | H18 | H22 | AB8 | AB6 | AB5 | AA4 | AA3 | AB2 | AB1 | W4 | Y1 | U1 | U5 | T4 | P4 | P1 | N2 | M2 | K3 | J4 | L1 | J2 | J1 | G2 | F1 | D2 | D1 | B2 | A1 | AA8 | AB7 | AA5 | Y4 | Y3 | V4 | AB3 | AA1 | W1 | T1 | T5 | R4 | P5 | R1 | P2 | M3 | L3 | K4 | M1 | K2 | K1 | H2 | G1 | E2 | E1 | C2 | B1 | RESET | AUDIO OUT | VIDEO OUT
